# Altium PCB yidong.PcbDoc (part 2 of 2) (continued)
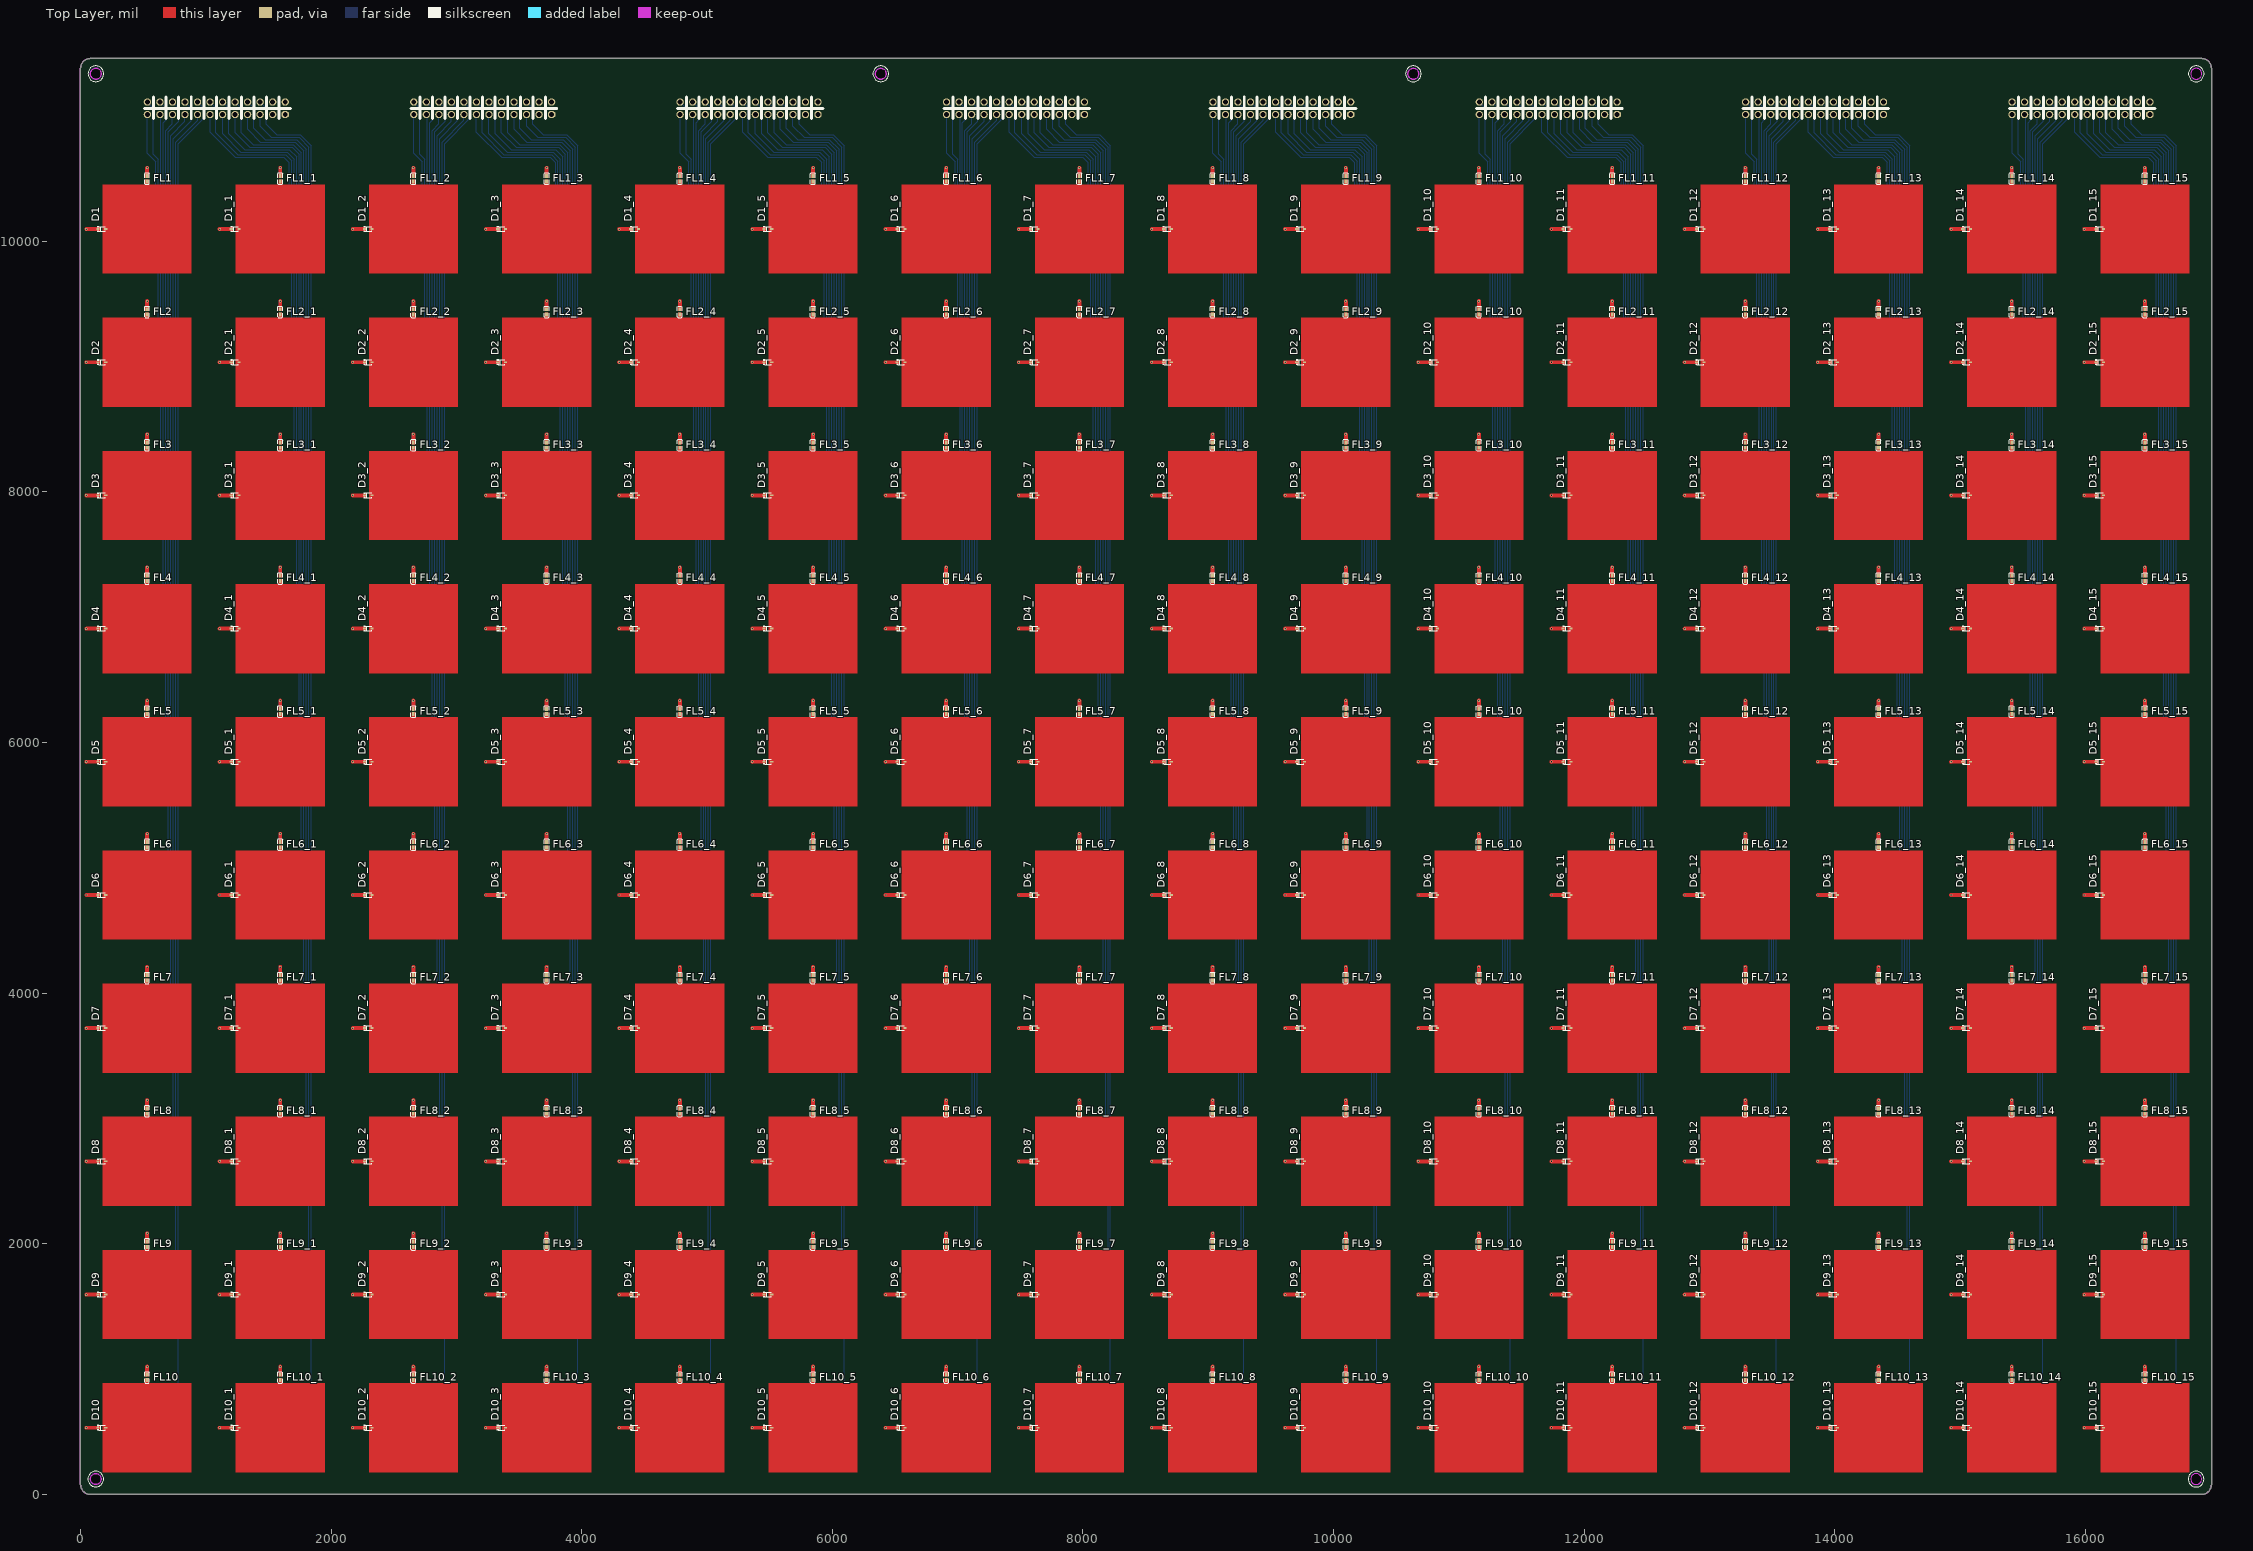
[diagram p0: Top Layer view]
## Nets (pads, with @x,y where several pads share a name; then routed paths per layer and width w, separated by ;. In a path a pad name is that pad's centre, name@x,y a point inside that pad or via, vN(x,y) a via of type N, cw(c..) or ccw(c..) an arc to the next point about the centre after c; other vN are vias at no path point) (continued)
NewNet366: BH3.19 BL5_4.1 | length 5024.8
  Bottom Layer w7.87: BL5_4.1@4782.97,6226.57 4782.97,6193.03 4933.11,6193.03 4933.11,10884.04 4986.07,10937 BH3.19@4986.07,11012.2
NewNet367: BH3.22 BL4_4.1 | length 4050
  Bottom Layer w7.87: BL4_4.1@4782.97,7289.56 4782.97,7256.02 4913.42,7256.02 4913.42,10948.56 4935.77,10970.9 4935.77,11062.5 BH3.22@4886.07,11112.2
NewNet368: BH3.21 BL3_4.1 | length 2840.7
  Bottom Layer w7.87: BL3_4.1@4782.97,8352.56 4782.97,8319.02 4893.74,8319.02 4893.74,11004.53 BH3.21@4886.07,11012.2
NewNet369: BH3.24 BL2_4.1 | length 1891.6
  Bottom Layer w7.87: BL2_4.1@4782.97,9415.55 4782.97,9382.01 4874.05,9382.01 4874.05,10629.92 4874.47,10630.34 4874.47,10653.6 4833.87,10694.2 4833.87,11064.4 BH3.24@4786.07,11112.2
NewNet370: BH3.23 BL1_4.1 | length 700.4
  Bottom Layer w7.87: BL1_4.1@4782.97,10478.54 4782.97,10445 4854.37,10445 4854.37,10636.2 4786.07,10704.5 BH3.23@4786.07,11012.2
NewNet371: BH3.6 BL10_5.1 | length 10795.3
  Bottom Layer w7.87: BH3.6@5686.07,11112.2 5735.77,11062.5 5735.77,10934.2 5819.37,10850.6 6006.87,10850.6 6094.53,10762.94 6094.53,878.07 5845.96,878.07 BL10_5.1@5845.96,911.61
NewNet372: BH3.5 BL9_5.1 | length 9625.2
  Bottom Layer w7.87: BH3.5@5686.07,11012.2 5686.07,10918.1 5774.97,10829.2 5997.97,10829.2 6074.84,10752.33 6074.84,1941.06 5845.96,1941.06 BL9_5.1@5845.96,1974.6
NewNet373: BH3.8 BL8_5.1 | length 8693.3
  Bottom Layer w7.87: BH3.8@5586.07,11112.2 5633.37,11064.9 5633.37,10902.4 5724.87,10810.9 5977.67,10810.9 6055.16,10733.41 6055.16,3004.06 5845.96,3004.06 BL8_5.1@5845.96,3037.6
NewNet374: BH3.7 BL7_5.1 | length 7518.3
  Bottom Layer w7.87: BH3.7@5586.07,11012.2 5586.07,10893.3 5687.27,10792.1 5967.17,10792.1 6035.47,10723.8 6035.47,4067.05 5845.96,4067.05 BL7_5.1@5845.96,4100.59
NewNet375: BH3.10 BL6_5.1 | length 6592.2
  Bottom Layer w7.87: BH3.10@5486.07,11112.2 5535.17,11063.1 5535.17,10867.9 5631.87,10771.2 5951.47,10771.2 6015.79,10706.88 6015.79,5130.04 5845.96,5130.04 BL6_5.1@5845.96,5163.58
NewNet376: BH3.9 BL5_5.1 | length 5413
  Bottom Layer w7.87: BH3.9@5486.07,11012.2 5486.07,10866.3 5602.57,10749.8 5942.07,10749.8 5996.1,10695.77 5996.1,6193.03 5845.96,6193.03 BL5_5.1@5845.96,6226.57
NewNet377: BH3.12 BL4_5.1 | length 4472.8
  Bottom Layer w7.87: BH3.12@5386.07,11112.2 5436.47,11061.8 5436.47,10858.5 5564.47,10730.5 5919.67,10730.5 5976.42,10673.75 5976.42,7256.02 5845.96,7256.02 BL4_5.1@5845.96,7289.56
NewNet378: BH3.11 BL3_5.1 | length 3289.3
  Bottom Layer w7.87: BH3.11@5386.07,11012.2 5386.07,10858.8 5532.67,10712.2 5900.37,10712.2 5956.73,10655.84 5956.73,8319.02 5845.96,8319.02 BL3_5.1@5845.96,8352.56
NewNet379: BH3.14 BL2_5.1 | length 2348.6
  Bottom Layer w7.87: BH3.14@5286.07,11112.2 5331.47,11066.8 5331.47,10865.3 5505.97,10690.8 5888.6,10690.8 5937.05,10642.35 5937.05,9382.01 5845.96,9382.01 BL2_5.1@5845.96,9415.55
NewNet380: BH3.13 BL1_5.1 | length 1162.2
  Bottom Layer w7.87: BH3.13@5286.07,11012.2 5286.07,10871 5486.67,10670.4 5874.17,10670.4 5914.65,10629.92 5917.36,10629.92 5917.36,10445 5845.96,10445 BL1_5.1@5845.96,10478.54
NewNet381: BH4.16 BL10_6.1 | length 10623.2
  Bottom Layer w7.87: BL10_6.1@6908.95,911.61 6908.95,878.07 7157.52,878.07 7157.52,10778.77 7363.95,10985.2 7363.95,11060.3 BH4.16@7312.05,11112.2
NewNet382: BH4.15 BL9_6.1 | length 9405.7
  Bottom Layer w7.87: BL9_6.1@6908.95,1974.6 6908.95,1941.06 7137.83,1941.06 7137.83,10792.38 7312.05,10966.6 BH4.15@7312.05,11012.2
NewNet383: BH4.18 BL8_6.1 | length 8429.8
  Bottom Layer w7.87: BL8_6.1@6908.95,3037.6 6908.95,3004.06 7118.15,3004.06 7118.15,10821 7260.35,10963.2 7260.35,11063.9 BH4.18@7212.05,11112.2
NewNet384: BH4.17 BL7_6.1 | length 7215.3
  Bottom Layer w7.87: BL7_6.1@6908.95,4100.59 6908.95,4067.05 7098.46,4067.05 7098.46,10844.81 7212.05,10958.4 BH4.17@7212.05,11012.2
NewNet385: BH4.20 BL6_6.1 | length 6241.3
  Bottom Layer w7.87: BL6_6.1@6908.95,5163.58 6908.95,5130.04 7078.78,5130.04 7078.78,10874.03 7162.75,10958 7162.75,11061.5 BH4.20@7112.05,11112.2
NewNet386: BH4.19 BL5_6.1 | length 5024.8
  Bottom Layer w7.87: BL5_6.1@6908.95,6226.57 6908.95,6193.03 7059.09,6193.03 7059.09,10884.04 7112.05,10937 BH4.19@7112.05,11012.2
NewNet387: BH4.22 BL4_6.1 | length 4050
  Bottom Layer w7.87: BL4_6.1@6908.95,7289.56 6908.95,7256.02 7039.41,7256.02 7039.41,10948.56 7061.75,10970.9 7061.75,11062.5 BH4.22@7012.05,11112.2
NewNet388: BH4.21 BL3_6.1 | length 2840.7
  Bottom Layer w7.87: BL3_6.1@6908.95,8352.56 6908.95,8319.02 7019.72,8319.02 7019.72,11004.53 BH4.21@7012.05,11012.2
NewNet389: BH4.24 BL2_6.1 | length 1891.6
  Bottom Layer w7.87: BL2_6.1@6908.95,9415.55 6908.95,9382.01 7000.04,9382.01 7000.04,10629.92 7000.45,10630.34 7000.45,10653.6 6959.85,10694.2 6959.85,11064.4 BH4.24@6912.05,11112.2
NewNet390: BH4.23 BL1_6.1 | length 700.4
  Bottom Layer w7.87: BL1_6.1@6908.95,10478.54 6908.95,10445 6980.35,10445 6980.35,10636.2 6912.05,10704.5 BH4.23@6912.05,11012.2
NewNet391: BH4.6 BL10_7.1 | length 10795.3
  Bottom Layer w7.87: BH4.6@7812.05,11112.2 7861.75,11062.5 7861.75,10934.2 7945.35,10850.6 8132.85,10850.6 8220.51,10762.94 8220.51,878.07 7971.94,878.07 BL10_7.1@7971.94,911.61
NewNet392: BH4.5 BL9_7.1 | length 9625.2
  Bottom Layer w7.87: BH4.5@7812.05,11012.2 7812.05,10918.1 7900.95,10829.2 8123.95,10829.2 8200.83,10752.33 8200.83,1941.06 7971.94,1941.06 BL9_7.1@7971.94,1974.6
NewNet393: BH4.8 BL8_7.1 | length 8693.3
  Bottom Layer w7.87: BH4.8@7712.05,11112.2 7759.35,11064.9 7759.35,10902.4 7850.85,10810.9 8103.65,10810.9 8181.14,10733.41 8181.14,3004.06 7971.94,3004.06 BL8_7.1@7971.94,3037.6
NewNet394: BH4.7 BL7_7.1 | length 7518.3
  Bottom Layer w7.87: BH4.7@7712.05,11012.2 7712.05,10893.3 7813.25,10792.1 8093.15,10792.1 8161.46,10723.8 8161.46,4067.05 7971.94,4067.05 BL7_7.1@7971.94,4100.59
NewNet395: BH4.10 BL6_7.1 | length 6592.2
  Bottom Layer w7.87: BH4.10@7612.05,11112.2 7661.15,11063.1 7661.15,10867.9 7757.85,10771.2 8077.45,10771.2 8141.77,10706.88 8141.77,5130.04 7971.94,5130.04 BL6_7.1@7971.94,5163.58
NewNet396: BH4.9 BL5_7.1 | length 5413
  Bottom Layer w7.87: BH4.9@7612.05,11012.2 7612.05,10866.3 7728.55,10749.8 8068.05,10749.8 8122.09,10695.77 8122.09,6193.03 7971.94,6193.03 BL5_7.1@7971.94,6226.57
NewNet397: BH4.12 BL4_7.1 | length 4472.8
  Bottom Layer w7.87: BH4.12@7512.05,11112.2 7562.45,11061.8 7562.45,10858.5 7690.45,10730.5 8045.65,10730.5 8102.4,10673.75 8102.4,7256.02 7971.94,7256.02 BL4_7.1@7971.94,7289.56
NewNet398: BH4.11 BL3_7.1 | length 3289.3
  Bottom Layer w7.87: BH4.11@7512.05,11012.2 7512.05,10858.8 7658.65,10712.2 8026.35,10712.2 8082.72,10655.84 8082.72,8319.02 7971.94,8319.02 BL3_7.1@7971.94,8352.56
NewNet399: BH4.14 BL2_7.1 | length 2349.4
  Bottom Layer w7.87: BH4.14@7412.05,11112.2 7457.45,11066.8 7457.45,10865.3 7631.95,10690.8 8015.9,10690.8 8063.03,10643.67 8063.03,9382.01 7971.94,9382.01 BL2_7.1@7971.94,9415.55
NewNet400: BH4.13 BL1_7.1 | length 1162.2
  Bottom Layer w7.87: BH4.13@7412.05,11012.2 7412.05,10871 7612.65,10670.4 8000.15,10670.4 8040.63,10629.92 8043.34,10629.92 8043.34,10445 7971.94,10445 BL1_7.1@7971.94,10478.54
NewNet401: BH5.16 BL10_8.1 | length 10623.2
  Bottom Layer w7.87: BL10_8.1@9034.94,911.61 9034.94,878.07 9283.5,878.07 9283.5,10778.77 9489.94,10985.2 9489.94,11060.3 BH5.16@9438.04,11112.2
NewNet402: BH5.15 BL9_8.1 | length 9405.7
  Bottom Layer w7.87: BL9_8.1@9034.94,1974.6 9034.94,1941.06 9263.82,1941.06 9263.82,10792.38 9438.04,10966.6 BH5.15@9438.04,11012.2
NewNet403: BH5.18 BL8_8.1 | length 8429.8
  Bottom Layer w7.87: BL8_8.1@9034.94,3037.6 9034.94,3004.06 9244.13,3004.06 9244.13,10821 9386.34,10963.2 9386.34,11063.9 BH5.18@9338.04,11112.2
NewNet404: BH5.17 BL7_8.1 | length 7215.3
  Bottom Layer w7.87: BL7_8.1@9034.94,4100.59 9034.94,4067.05 9224.45,4067.05 9224.45,10844.81 9338.04,10958.4 BH5.17@9338.04,11012.2
NewNet405: BH5.20 BL6_8.1 | length 6241.3
  Bottom Layer w7.87: BL6_8.1@9034.94,5163.58 9034.94,5130.04 9204.76,5130.04 9204.76,10874.03 9288.74,10958 9288.74,11061.5 BH5.20@9238.04,11112.2
NewNet406: BH5.19 BL5_8.1 | length 5024.8
  Bottom Layer w7.87: BL5_8.1@9034.94,6226.57 9034.94,6193.03 9185.08,6193.03 9185.08,10884.04 9238.04,10937 BH5.19@9238.04,11012.2
NewNet407: BH5.22 BL4_8.1 | length 4050
  Bottom Layer w7.87: BL4_8.1@9034.94,7289.56 9034.94,7256.02 9165.39,7256.02 9165.39,10948.56 9187.74,10970.9 9187.74,11062.5 BH5.22@9138.04,11112.2
NewNet408: BH5.21 BL3_8.1 | length 2840.7
  Bottom Layer w7.87: BL3_8.1@9034.94,8352.56 9034.94,8319.02 9145.71,8319.02 9145.71,11004.53 BH5.21@9138.04,11012.2
NewNet409: BH5.24 BL2_8.1 | length 1891.6
  Bottom Layer w7.87: BL2_8.1@9034.94,9415.55 9034.94,9382.01 9126.02,9382.01 9126.02,10629.92 9126.44,10630.34 9126.44,10653.6 9085.84,10694.2 9085.84,11064.4 BH5.24@9038.04,11112.2
NewNet410: BH5.23 BL1_8.1 | length 700.4
  Bottom Layer w7.87: BL1_8.1@9034.94,10478.54 9034.94,10445 9106.34,10445 9106.34,10636.2 9038.04,10704.5 BH5.23@9038.04,11012.2
NewNet411: BH5.6 BL10_9.1 | length 10795.3
  Bottom Layer w7.87: BH5.6@9938.04,11112.2 9987.74,11062.5 9987.74,10934.2 10071.34,10850.6 10258.84,10850.6 10346.49,10762.94 10346.49,878.07 10097.93,878.07 BL10_9.1@10097.93,911.61
NewNet412: BH5.5 BL9_9.1 | length 9625.2
  Bottom Layer w7.87: BH5.5@9938.04,11012.2 9938.04,10918.1 10026.94,10829.2 10249.94,10829.2 10326.81,10752.33 10326.81,1941.06 10097.93,1941.06 BL9_9.1@10097.93,1974.6
NewNet413: BH5.8 BL8_9.1 | length 8693.3
  Bottom Layer w7.87: BH5.8@9838.04,11112.2 9885.34,11064.9 9885.34,10902.4 9976.84,10810.9 10229.64,10810.9 10307.12,10733.41 10307.12,3004.06 10097.93,3004.06 BL8_9.1@10097.93,3037.6
NewNet414: BH5.7 BL7_9.1 | length 7518.3
  Bottom Layer w7.87: BH5.7@9838.04,11012.2 9838.04,10893.3 9939.24,10792.1 10219.14,10792.1 10287.44,10723.8 10287.44,4067.05 10097.93,4067.05 BL7_9.1@10097.93,4100.59
NewNet415: BH5.10 BL6_9.1 | length 6592.2
  Bottom Layer w7.87: BH5.10@9738.04,11112.2 9787.14,11063.1 9787.14,10867.9 9883.84,10771.2 10203.44,10771.2 10267.75,10706.88 10267.75,5130.04 10097.93,5130.04 BL6_9.1@10097.93,5163.58
NewNet416: BH5.9 BL5_9.1 | length 5413
  Bottom Layer w7.87: BH5.9@9738.04,11012.2 9738.04,10866.3 9854.54,10749.8 10194.04,10749.8 10248.07,10695.77 10248.07,6193.03 10097.93,6193.03 BL5_9.1@10097.93,6226.57
NewNet417: BH5.12 BL4_9.1 | length 4472.8
  Bottom Layer w7.87: BH5.12@9638.04,11112.2 9688.44,11061.8 9688.44,10858.5 9816.44,10730.5 10171.64,10730.5 10228.38,10673.75 10228.38,7256.02 10097.93,7256.02 BL4_9.1@10097.93,7289.56
NewNet418: BH5.11 BL3_9.1 | length 3289.3
  Bottom Layer w7.87: BH5.11@9638.04,11012.2 9638.04,10858.8 9784.64,10712.2 10152.34,10712.2 10208.7,10655.84 10208.7,8319.02 10097.93,8319.02 BL3_9.1@10097.93,8352.56
NewNet419: BH5.14 BL2_9.1 | length 2346.8
  Bottom Layer w7.87: BH5.14@9538.04,11112.2 9583.44,11066.8 9583.44,10865.3 9757.94,10690.8 10137.5,10690.8 10189.01,10639.29 10189.01,9382.01 10097.93,9382.01 BL2_9.1@10097.93,9415.55
NewNet420: BH5.13 BL1_9.1 | length 1162.2
  Bottom Layer w7.87: BH5.13@9538.04,11012.2 9538.04,10871 9738.64,10670.4 10126.14,10670.4 10166.62,10629.92 10169.33,10629.92 10169.33,10445 10097.93,10445 BL1_9.1@10097.93,10478.54
NewNet421: BH6.16 BL10_10.1 | length 10623.2
  Bottom Layer w7.87: BL10_10.1@11160.92,911.61 11160.92,878.07 11409.49,878.07 11409.49,10778.77 11615.92,10985.2 11615.92,11060.3 BH6.16@11564.02,11112.2
NewNet422: BH6.15 BL9_10.1 | length 9405.7
  Bottom Layer w7.87: BL9_10.1@11160.92,1974.6 11160.92,1941.06 11389.8,1941.06 11389.8,10792.38 11564.02,10966.6 BH6.15@11564.02,11012.2
NewNet423: BH6.18 BL8_10.1 | length 8429.8
  Bottom Layer w7.87: BL8_10.1@11160.92,3037.6 11160.92,3004.06 11370.12,3004.06 11370.12,10821 11512.32,10963.2 11512.32,11063.9 BH6.18@11464.02,11112.2
NewNet424: BH6.17 BL7_10.1 | length 7215.3
  Bottom Layer w7.87: BL7_10.1@11160.92,4100.59 11160.92,4067.05 11350.43,4067.05 11350.43,10844.81 11464.02,10958.4 BH6.17@11464.02,11012.2
NewNet425: BH6.20 BL6_10.1 | length 6241.3
  Bottom Layer w7.87: BL6_10.1@11160.92,5163.58 11160.92,5130.04 11330.75,5130.04 11330.75,10874.03 11414.72,10958 11414.72,11061.5 BH6.20@11364.02,11112.2
NewNet426: BH6.19 BL5_10.1 | length 5024.8
  Bottom Layer w7.87: BL5_10.1@11160.92,6226.57 11160.92,6193.03 11311.06,6193.03 11311.06,10884.04 11364.02,10937 BH6.19@11364.02,11012.2
NewNet427: BH6.22 BL4_10.1 | length 4050
  Bottom Layer w7.87: BL4_10.1@11160.92,7289.56 11160.92,7256.02 11291.38,7256.02 11291.38,10948.56 11313.72,10970.9 11313.72,11062.5 BH6.22@11264.02,11112.2
NewNet428: BH6.21 BL3_10.1 | length 2840.7
  Bottom Layer w7.87: BL3_10.1@11160.92,8352.56 11160.92,8319.02 11271.69,8319.02 11271.69,11004.53 BH6.21@11264.02,11012.2
NewNet429: BH6.24 BL2_10.1 | length 1891.6
  Bottom Layer w7.87: BL2_10.1@11160.92,9415.55 11160.92,9382.01 11252.01,9382.01 11252.01,10629.92 11252.42,10630.34 11252.42,10653.6 11211.82,10694.2 11211.82,11064.4 BH6.24@11164.02,11112.2
NewNet430: BH6.23 BL1_10.1 | length 700.4
  Bottom Layer w7.87: BL1_10.1@11160.92,10478.54 11160.92,10445 11232.32,10445 11232.32,10636.2 11164.02,10704.5 BH6.23@11164.02,11012.2
NewNet431: BH6.6 BL10_11.1 | length 10795.3
  Bottom Layer w7.87: BH6.6@12064.02,11112.2 12113.72,11062.5 12113.72,10934.2 12197.32,10850.6 12384.82,10850.6 12472.48,10762.94 12472.48,878.07 12223.91,878.07 BL10_11.1@12223.91,911.61
NewNet432: BH6.5 BL9_11.1 | length 9625.2
  Bottom Layer w7.87: BH6.5@12064.02,11012.2 12064.02,10918.1 12152.92,10829.2 12375.92,10829.2 12452.79,10752.33 12452.79,1941.06 12223.91,1941.06 BL9_11.1@12223.91,1974.6
NewNet433: BH6.8 BL8_11.1 | length 8693.3
  Bottom Layer w7.87: BH6.8@11964.02,11112.2 12011.32,11064.9 12011.32,10902.4 12102.82,10810.9 12355.62,10810.9 12433.11,10733.41 12433.11,3004.06 12223.91,3004.06 BL8_11.1@12223.91,3037.6
NewNet434: BH6.7 BL7_11.1 | length 7518.3
  Bottom Layer w7.87: BH6.7@11964.02,11012.2 11964.02,10893.3 12065.22,10792.1 12345.12,10792.1 12413.42,10723.8 12413.42,4067.05 12223.91,4067.05 BL7_11.1@12223.91,4100.59
NewNet435: BH6.10 BL6_11.1 | length 6592.2
  Bottom Layer w7.87: BH6.10@11864.02,11112.2 11913.12,11063.1 11913.12,10867.9 12009.82,10771.2 12329.42,10771.2 12393.74,10706.88 12393.74,5130.04 12223.91,5130.04 BL6_11.1@12223.91,5163.58
NewNet436: BH6.9 BL5_11.1 | length 5413
  Bottom Layer w7.87: BH6.9@11864.02,11012.2 11864.02,10866.3 11980.52,10749.8 12320.02,10749.8 12374.05,10695.77 12374.05,6193.03 12223.91,6193.03 BL5_11.1@12223.91,6226.57
NewNet437: BH6.12 BL4_11.1 | length 4472.8
  Bottom Layer w7.87: BH6.12@11764.02,11112.2 11814.42,11061.8 11814.42,10858.5 11942.42,10730.5 12297.62,10730.5 12354.37,10673.75 12354.37,7256.02 12223.91,7256.02 BL4_11.1@12223.91,7289.56
NewNet438: BH6.11 BL3_11.1 | length 3289.3
  Bottom Layer w7.87: BH6.11@11764.02,11012.2 11764.02,10858.8 11910.62,10712.2 12278.32,10712.2 12334.68,10655.84 12334.68,8319.02 12223.91,8319.02 BL3_11.1@12223.91,8352.56
NewNet439: BH6.14 BL2_11.1 | length 2344.9
  Bottom Layer w7.87: BH6.14@11664.02,11112.2 11709.42,11066.8 11709.42,10865.3 11883.92,10690.8 12260.2,10690.8 12315,10636 12315,9382.01 12223.91,9382.01 BL2_11.1@12223.91,9415.55
NewNet440: BH6.13 BL1_11.1 | length 1162.2
  Bottom Layer w7.87: BH6.13@11664.02,11012.2 11664.02,10871 11864.62,10670.4 12252.12,10670.4 12292.6,10629.92 12295.31,10629.92 12295.31,10445 12223.91,10445 BL1_11.1@12223.91,10478.54
NewNet441: BH7.16 BL10_12.1 | length 10623.2
  Bottom Layer w7.87: BL10_12.1@13286.91,911.61 13286.91,878.07 13535.47,878.07 13535.47,10778.77 13741.91,10985.2 13741.91,11060.3 BH7.16@13690.01,11112.2
NewNet442: BH7.15 BL9_12.1 | length 9405.7
  Bottom Layer w7.87: BL9_12.1@13286.91,1974.6 13286.91,1941.06 13515.79,1941.06 13515.79,10792.38 13690.01,10966.6 BH7.15@13690.01,11012.2
NewNet443: BH7.18 BL8_12.1 | length 8429.8
  Bottom Layer w7.87: BL8_12.1@13286.91,3037.6 13286.91,3004.06 13496.1,3004.06 13496.1,10821 13638.31,10963.2 13638.31,11063.9 BH7.18@13590.01,11112.2
NewNet444: BH7.17 BL7_12.1 | length 7215.3
  Bottom Layer w7.87: BL7_12.1@13286.91,4100.59 13286.91,4067.05 13476.42,4067.05 13476.42,10844.81 13590.01,10958.4 BH7.17@13590.01,11012.2
NewNet445: BH7.20 BL6_12.1 | length 6241.3
  Bottom Layer w7.87: BL6_12.1@13286.91,5163.58 13286.91,5130.04 13456.73,5130.04 13456.73,10874.03 13540.71,10958 13540.71,11061.5 BH7.20@13490.01,11112.2
NewNet446: BH7.19 BL5_12.1 | length 5024.8
  Bottom Layer w7.87: BL5_12.1@13286.91,6226.57 13286.91,6193.03 13437.05,6193.03 13437.05,10884.04 13490.01,10937 BH7.19@13490.01,11012.2
NewNet447: BH7.22 BL4_12.1 | length 4050
  Bottom Layer w7.87: BL4_12.1@13286.91,7289.56 13286.91,7256.02 13417.36,7256.02 13417.36,10948.56 13439.71,10970.9 13439.71,11062.5 BH7.22@13390.01,11112.2
NewNet448: BH7.21 BL3_12.1 | length 2840.7
  Bottom Layer w7.87: BL3_12.1@13286.91,8352.56 13286.91,8319.02 13397.68,8319.02 13397.68,11004.53 BH7.21@13390.01,11012.2
NewNet449: BH7.24 BL2_12.1 | length 1891.6
  Bottom Layer w7.87: BL2_12.1@13286.91,9415.55 13286.91,9382.01 13377.99,9382.01 13377.99,10629.92 13378.41,10630.34 13378.41,10653.6 13337.81,10694.2 13337.81,11064.4 BH7.24@13290.01,11112.2
NewNet450: BH7.23 BL1_12.1 | length 700.4
  Bottom Layer w7.87: BL1_12.1@13286.91,10478.54 13286.91,10445 13358.31,10445 13358.31,10636.2 13290.01,10704.5 BH7.23@13290.01,11012.2
NewNet451: BH7.6 BL10_13.1 | length 10795.3
  Bottom Layer w7.87: BH7.6@14190.01,11112.2 14239.71,11062.5 14239.71,10934.2 14323.31,10850.6 14510.81,10850.6 14598.46,10762.94 14598.46,878.07 14349.9,878.07 BL10_13.1@14349.9,911.61
NewNet452: BH7.5 BL9_13.1 | length 9625.2
  Bottom Layer w7.87: BH7.5@14190.01,11012.2 14190.01,10918.1 14278.91,10829.2 14501.91,10829.2 14578.78,10752.33 14578.78,1941.06 14349.9,1941.06 BL9_13.1@14349.9,1974.6
NewNet453: BH7.8 BL8_13.1 | length 8693.3
  Bottom Layer w7.87: BH7.8@14090.01,11112.2 14137.31,11064.9 14137.31,10902.4 14228.81,10810.9 14481.61,10810.9 14559.09,10733.41 14559.09,3004.06 14349.9,3004.06 BL8_13.1@14349.9,3037.6
NewNet454: BH7.7 BL7_13.1 | length 7518.3
  Bottom Layer w7.87: BH7.7@14090.01,11012.2 14090.01,10893.3 14191.21,10792.1 14471.11,10792.1 14539.41,10723.8 14539.41,4067.05 14349.9,4067.05 BL7_13.1@14349.9,4100.59
NewNet455: BH7.10 BL6_13.1 | length 6592.2
  Bottom Layer w7.87: BH7.10@13990.01,11112.2 14039.11,11063.1 14039.11,10867.9 14135.81,10771.2 14455.41,10771.2 14519.72,10706.88 14519.72,5130.04 14349.9,5130.04 BL6_13.1@14349.9,5163.58
NewNet456: BH7.9 BL5_13.1 | length 5413
  Bottom Layer w7.87: BH7.9@13990.01,11012.2 13990.01,10866.3 14106.51,10749.8 14446.01,10749.8 14500.04,10695.77 14500.04,6193.03 14349.9,6193.03 BL5_13.1@14349.9,6226.57
NewNet457: BH7.12 BL4_13.1 | length 4472.8
  Bottom Layer w7.87: BH7.12@13890.01,11112.2 13940.41,11061.8 13940.41,10858.5 14068.41,10730.5 14423.61,10730.5 14480.35,10673.75 14480.35,7256.02 14349.9,7256.02 BL4_13.1@14349.9,7289.56
NewNet458: BH7.11 BL3_13.1 | length 3289.3
  Bottom Layer w7.87: BH7.11@13890.01,11012.2 13890.01,10858.8 14036.61,10712.2 14404.31,10712.2 14460.67,10655.84 14460.67,8319.02 14349.9,8319.02 BL3_13.1@14349.9,8352.56
NewNet459: BH7.14 BL2_13.1 | length 2348.5
  Bottom Layer w7.87: BH7.14@13790.01,11112.2 13835.41,11066.8 13835.41,10865.3 14009.91,10690.8 14392.4,10690.8 14440.98,10642.22 14440.98,9382.01 14349.9,9382.01 BL2_13.1@14349.9,9415.55
NewNet460: BH7.13 BL1_13.1 | length 1162.2
  Bottom Layer w7.87: BH7.13@13790.01,11012.2 13790.01,10871 13990.61,10670.4 14378.11,10670.4 14418.58,10629.92 14421.3,10629.92 14421.3,10445 14349.9,10445 BL1_13.1@14349.9,10478.54
NewNet461: BH8.16 BL10_14.1 | length 10623.2
  Bottom Layer w7.87: BL10_14.1@15412.89,911.61 15412.89,878.07 15661.46,878.07 15661.46,10778.77 15867.89,10985.2 15867.89,11060.3 BH8.16@15815.99,11112.2
NewNet462: BH8.15 BL9_14.1 | length 9405.7
  Bottom Layer w7.87: BL9_14.1@15412.89,1974.6 15412.89,1941.06 15641.77,1941.06 15641.77,10792.38 15815.99,10966.6 BH8.15@15815.99,11012.2
NewNet463: BH8.18 BL8_14.1 | length 8429.8
  Bottom Layer w7.87: BL8_14.1@15412.89,3037.6 15412.89,3004.06 15622.09,3004.06 15622.09,10821 15764.29,10963.2 15764.29,11063.9 BH8.18@15715.99,11112.2
NewNet464: BH8.17 BL7_14.1 | length 7215.3
  Bottom Layer w7.87: BL7_14.1@15412.89,4100.59 15412.89,4067.05 15602.4,4067.05 15602.4,10844.81 15715.99,10958.4 BH8.17@15715.99,11012.2
NewNet465: BH8.20 BL6_14.1 | length 6241.3
  Bottom Layer w7.87: BL6_14.1@15412.89,5163.58 15412.89,5130.04 15582.72,5130.04 15582.72,10874.03 15666.69,10958 15666.69,11061.5 BH8.20@15615.99,11112.2
NewNet466: BH8.19 BL5_14.1 | length 5024.8
  Bottom Layer w7.87: BL5_14.1@15412.89,6226.57 15412.89,6193.03 15563.03,6193.03 15563.03,10884.04 15615.99,10937 BH8.19@15615.99,11012.2
NewNet467: BH8.22 BL4_14.1 | length 4050
  Bottom Layer w7.87: BL4_14.1@15412.89,7289.56 15412.89,7256.02 15543.34,7256.02 15543.34,10948.56 15565.69,10970.9 15565.69,11062.5 BH8.22@15515.99,11112.2
NewNet468: BH8.21 BL3_14.1 | length 2840.7
  Bottom Layer w7.87: BL3_14.1@15412.89,8352.56 15412.89,8319.02 15523.66,8319.02 15523.66,11004.53 BH8.21@15515.99,11012.2
NewNet469: BH8.24 BL2_14.1 | length 1891.6
  Bottom Layer w7.87: BL2_14.1@15412.89,9415.55 15412.89,9382.01 15503.97,9382.01 15503.97,10629.92 15504.39,10630.34 15504.39,10653.6 15463.79,10694.2 15463.79,11064.4 BH8.24@15415.99,11112.2
NewNet470: BH8.23 BL1_14.1 | length 700.4
  Bottom Layer w7.87: BL1_14.1@15412.89,10478.54 15412.89,10445 15484.29,10445 15484.29,10636.2 15415.99,10704.5 BH8.23@15415.99,11012.2
NewNet471: BH8.6 BL10_15.1 | length 10795.3
  Bottom Layer w7.87: BH8.6@16315.99,11112.2 16365.69,11062.5 16365.69,10934.2 16449.29,10850.6 16636.79,10850.6 16724.45,10762.94 16724.45,878.07 16475.88,878.07 BL10_15.1@16475.88,911.61
NewNet472: BH8.5 BL9_15.1 | length 9625.2
  Bottom Layer w7.87: BH8.5@16315.99,11012.2 16315.99,10918.1 16404.89,10829.2 16627.89,10829.2 16704.76,10752.33 16704.76,1941.06 16475.88,1941.06 BL9_15.1@16475.88,1974.6
NewNet473: BH8.8 BL8_15.1 | length 8693.3
  Bottom Layer w7.87: BH8.8@16215.99,11112.2 16263.29,11064.9 16263.29,10902.4 16354.79,10810.9 16607.59,10810.9 16685.08,10733.41 16685.08,3004.06 16475.88,3004.06 BL8_15.1@16475.88,3037.6
NewNet474: BH8.7 BL7_15.1 | length 7518.3
  Bottom Layer w7.87: BH8.7@16215.99,11012.2 16215.99,10893.3 16317.19,10792.1 16597.09,10792.1 16665.39,10723.8 16665.39,4067.05 16475.88,4067.05 BL7_15.1@16475.88,4100.59
NewNet475: BH8.10 BL6_15.1 | length 6592.2
  Bottom Layer w7.87: BH8.10@16115.99,11112.2 16165.09,11063.1 16165.09,10867.9 16261.79,10771.2 16581.39,10771.2 16645.71,10706.88 16645.71,5130.04 16475.88,5130.04 BL6_15.1@16475.88,5163.58
NewNet476: BH8.9 BL5_15.1 | length 5413
  Bottom Layer w7.87: BH8.9@16115.99,11012.2 16115.99,10866.3 16232.49,10749.8 16571.99,10749.8 16626.02,10695.77 16626.02,6193.03 16475.88,6193.03 BL5_15.1@16475.88,6226.57
NewNet477: BH8.12 BL4_15.1 | length 4472.8
  Bottom Layer w7.87: BH8.12@16015.99,11112.2 16066.39,11061.8 16066.39,10858.5 16194.39,10730.5 16549.59,10730.5 16606.34,10673.75 16606.34,7256.02 16475.88,7256.02 BL4_15.1@16475.88,7289.56
NewNet478: BH8.11 BL3_15.1 | length 3289.3
  Bottom Layer w7.87: BH8.11@16015.99,11012.2 16015.99,10858.8 16162.59,10712.2 16530.29,10712.2 16586.65,10655.84 16586.65,8319.02 16475.88,8319.02 BL3_15.1@16475.88,8352.56
NewNet479: BH8.14 BL2_15.1 | length 2348.3
  Bottom Layer w7.87: BH8.14@15915.99,11112.2 15961.39,11066.8 15961.39,10865.3 16135.89,10690.8 16518,10690.8 16566.97,10641.83 16566.97,9382.01 16475.88,9382.01 BL2_15.1@16475.88,9415.55
NewNet480: BH8.13 BL1_15.1 | length 1162.2
  Bottom Layer w7.87: BH8.13@15915.99,11012.2 15915.99,10871 16116.59,10670.4 16504.09,10670.4 16544.57,10629.92 16547.28,10629.92 16547.28,10445 16475.88,10445 BL1_15.1@16475.88,10478.54

## Polygon pours and split planes (outlines as drawn)
GND on GND "GND1" (solid, remove dead copper, pour order 0): -64.9,11515.1 -184.4,11395.6 -184.4,-193.8 17398.3,-193.8 17523.7,-68.4 17399.4,55.9 17399.4,11572.3

## Keep-outs
Keep-Out Layer:
  circle w0.79: c121.95,122.39 r43.31
  circle w0.79: c16885.28,121.95 r43.31
  circle w0.79: c122.59,11337.75 r43.31
  circle w0.79: c16885.92,11337.11 r43.31
  circle w0.79: c6387.49,11337.6 r43.31
  circle w0.79: c10637.49,11337.2 r43.31
  lines w0.5: 0,78.74 ccw(c78.74,78.74) 78.74,0 16929.13,0 ccw(c16929.13,78.74) 17007.87,78.74 17007.87,11380.96 ccw(c16929.13,11380.96) 16929.13,11459.7 78.74,11459.7 ccw(c78.74,11380.96) 0,11380.96 0,78.74

## Other copper
Top Layer:
  drawing of 480 lines, arcs and shapes, not listed

## Silkscreen, mask and mechanical layers (free items; w line width, h text height)
Top Overlay:
  circle w0.79: c122.59,11337.75 r62.99
  circle w0.79: c16885.92,11337.11 r62.99
  circle w0.79: c16885.28,121.95 r62.99
  circle w0.79: c121.95,122.39 r62.99
  circle w0.79: c6387.49,11337.6 r62.99
  circle w0.79: c10637.49,11337.2 r62.99
Bottom Overlay:
  circle w0.79: c122.69,11337.75 r62.99
  circle w0.79: c16885.92,11337.31 r62.99
  circle w0.79: c16885.28,121.95 r62.99
  circle w0.79: c122.05,122.39 r62.99
  circle w0.79: c6387.59,11337.6 r62.99
  circle w0.79: c10637.59,11337.2 r62.99
  text "GND" at 8231.7,10766.4 h60
  text "GND" at 5946.4,10761.8 h60
  text "GND" at 1696.6,10756.7 h60
  text "GND" at 3815.2,10754.8 h60
  text "GND" at 12328.7,10753.6 h60
  text "GND" at 16559.5,10748.9 h60
  text "GND" at 14452.2,10744.3 h60
  text "GND" at 10239.9,10742 h60
Top Solder:
  drawing of 480 lines, arcs and shapes, not listed
Mechanical 1:
  lines w0.5: 157.08,524.59 157.08,540.34 ; 157.08,1587.58 157.08,1603.33 ; 157.08,2650.58 157.08,2666.32 ; 157.08,3713.57 157.08,3729.32 ; 157.08,4776.56 157.08,4792.31 ; 157.08,5839.55 157.08,5855.3 ; 157.08,6902.54 157.08,6918.29 ; 157.08,7965.54 157.08,7981.28 ; 157.08,9028.53 157.08,9044.28 ; 157.08,10091.52 157.08,10107.27 ; 522.09,10491.88 537.84,10491.88 ; 522.09,10507.63 537.84,10507.63
Mechanical 2:
  drawing of 3209 lines, arcs and shapes, not listed
Mechanical 3:
  drawing of 322 lines, arcs and shapes, not listed
Mechanical 4:
  drawing of 222 lines, arcs and shapes, not listed